# Altium PCB Proyecto_0 - V2.PcbDoc (part 2 of 6)
Units mil, origin at the board's own origin, x right, y up, seen from the top; angles counter-clockwise.
Board outline 2559.06 x 1771.65 mil, 10 copper layers (TOP, GND[1], VDD[1], Signal[1], GND[2], VDD[2], Signal[2], GND[3], VDD[3], BOT), stack 79.883 mil thick; 188 components, 257 nets, 1108 pads, 915 vias.
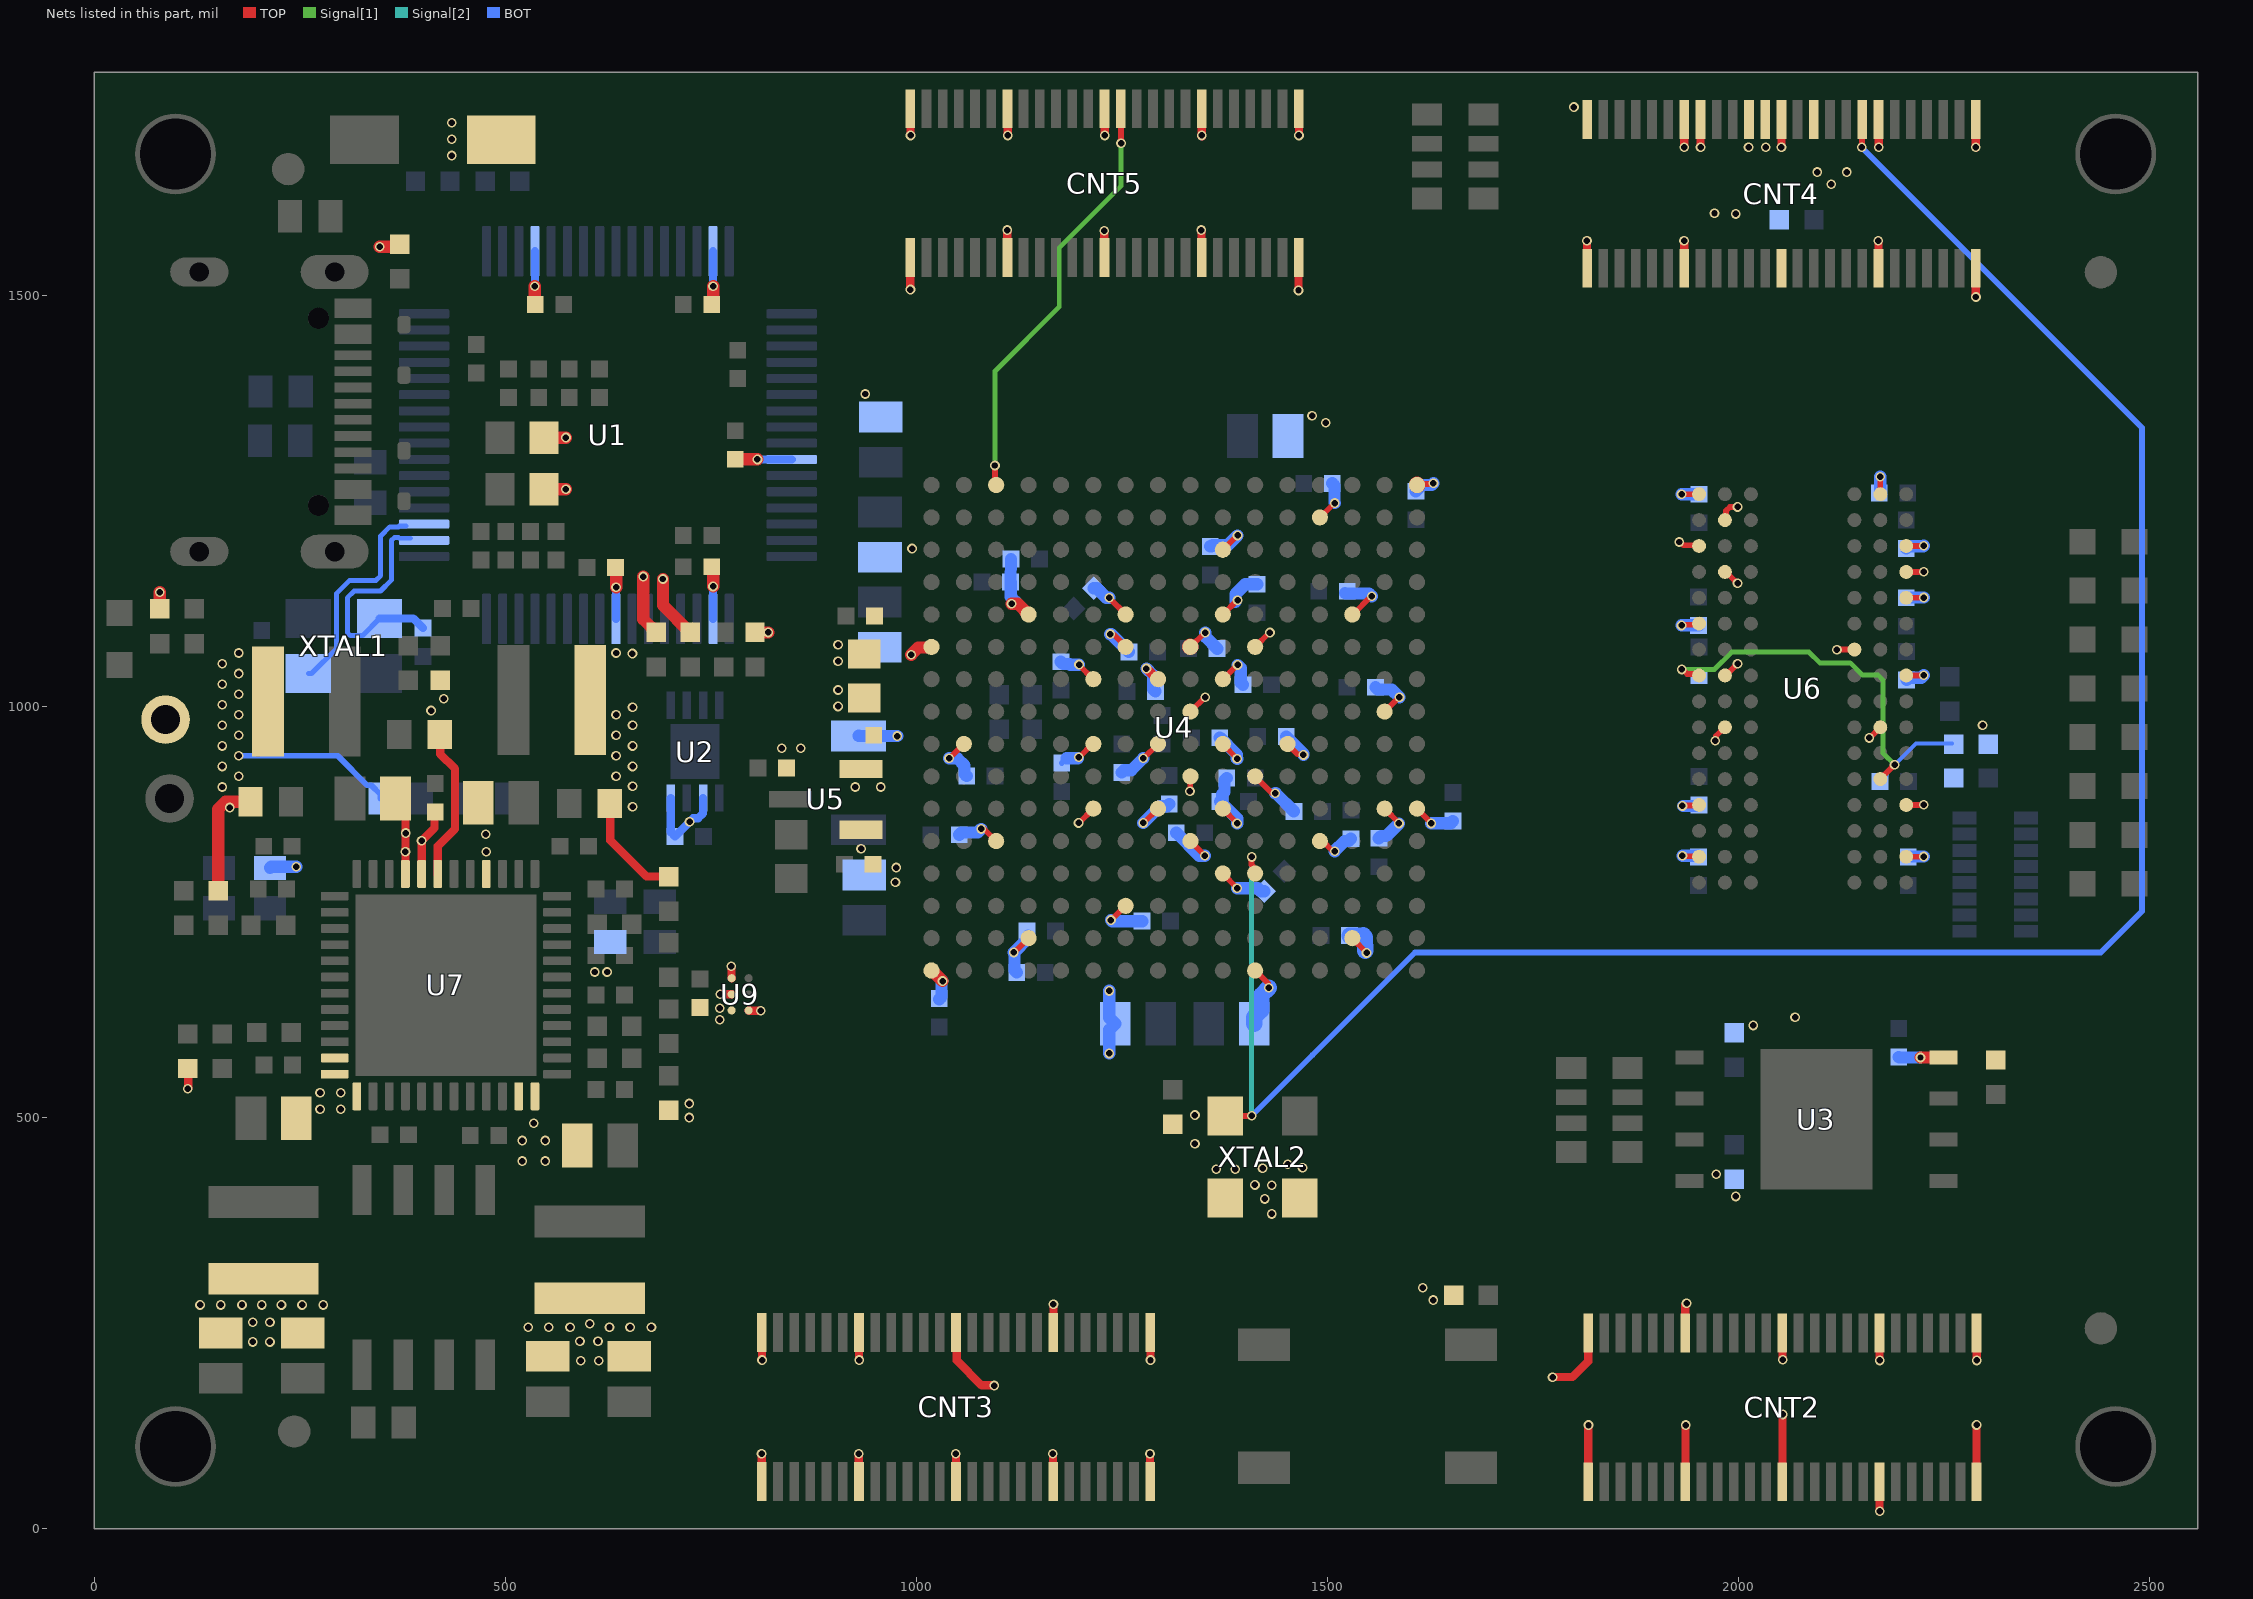
[diagram p10: the nets of this part, all layers, seen from the top]

## Components (designator, comment, footprint, x,y, rotation, side; value= is the part's Value field where it differs from the comment) (continued)
C51 "47uF" CAP0805 937,767.44 r90 bottom
C52 "0.1uF" CAP0402 930.32,808 r0 top
C53 "10uF" CAP0402 825,925 r0 top
C54 "0.1uF" CAP0402 1250,937 r270 bottom
C55 "1nF" CAP0402 1299,971.68 r90 bottom
C56 "0.47uF" CAP0402 1348.73,1070.34 r0 bottom
C57 "0.47uF" CAP0402 1276.05,1066.34 r180 bottom
C58 "0.47uF" CAP0402 1307.73,898.67 r270 bottom
C59 "4.7uF" CAP0402 1176,1037 r90 bottom
C60 "4.7uF" CAP0402 1177,914 r90 bottom
C61 "100uF" CAP1206 930,907.09 r90 bottom
C62 "0.47uF" CAP0402 1414.73,1131.34 r90 bottom
C63 "47uF" CAP0805 957,1324.56 r90 bottom
C64 "0.47uF" CAP0402 1387.05,884.34 r180 bottom
C65 "0.47uF" CAP0402 1395,913 r180 bottom
C66 "0.47uF" CAP0402 1414.73,1026.34 r180 bottom
C67 "4.7uF" CAP0402 1476.73,872.34 r180 bottom
C68 "4.7uF" CAP0402 1352,962 r0 bottom
C69 "47uF" CAP0805 956,1209 r270 bottom
C70 "0.47uF" CAP0402 1952.22,897.52 r270 bottom
C71 "0.47uF" CAP0402 2204.19,1209.33 r270 bottom
C72 "0.47uF" CAP0402 2206.7,799.67 r90 bottom
C73 "0.47uF" CAP0402 1952.22,1240.83 r90 bottom
C74 "0.47uF" CAP0402 2204.7,1049.67 r270 bottom
C75 "0.47uF" CAP0402 1951.7,799.67 r90 bottom
C76 "0.47uF" CAP0402 2188.7,1259.67 r180 bottom
C77 "0.47uF" CAP0402 1951.7,1115.67 r270 bottom
C78 "0.47uF" CAP0402 2204.19,1114.85 r90 bottom
C79 "1uF" CAP0402 2189.7,908.67 r180 bottom
C80 "10nF" CAP0402 1952.22,1055 r270 bottom
C81 "10uF" CAP0805 218.56,499 r0 top
C82 "10uF" CAP0805 615.44,466 r180 top
C83 "10uF" CAP0805 495,883 r180 top
C84 "10uF" CAP0805 339,888 r0 top
C85 "0.1uF" CAP0402 475,478 r0 top
C86 "47uF" CAP0805 651,182 r90 top
C87 "47uF" CAP0805 552,182 r90 top
C88 "2.7nF" CAP0402 628,534 r0 top value=2.2nF
C89 "0.1uF" CAP0402 365,479 r180 top
C90 "47uF" CAP0805 154,210.44 r90 top
C91 "47uF" CAP0805 254,210.44 r90 top
C92 "2.7nF" CAP0402 224,564 r180 top value=2.2nF
C93 "0.1uF" CAP0402 584,830 r0 top
C94 "22uF" CAP0603 602.61,882 r0 top
C95 "2.7nF" CAP0402 628,778 r0 top value=2.2nF
C96 "0.1uF" CAP0402 223.68,830 r180 top
C97 "22uF" CAP0603 215,884 r180 top
C98 "2.7nF" CAP0402 217,778 r180 top value=2.2nF
C99 "10uF" CAP0603 396,966 r0 top
C100 "1uF" CAP0402 628,649 r180 top
C101 "1uF" CAP0402 415,889 r270 top
C102 "1uF" CAP0402 628,697 r180 top
C103 "0.1uF" CAP0402 737,651 r90 top
C104 "0.1uF" CAP0402 780,1318 r270 top
C105 "0.1uF" CAP0402 734,1489 r0 top
CNT1 "USB-C" "USB-C 2.0 24 PINS (16+8 DUMMY)" 128.12,1358.37 r270 top
CNT2 "528850574" 528850574 2053.54,147.55 r0 top
CNT3 "528850574" 528850574 1048.48,148 r0 top
CNT4 "528850574" 528850574 2052.37,1623.45 r180 top locked
CNT5 "528850574" 528850574 1229.06,1636.45 r180 top locked
D1 "ESD321" SOD-523 377,1280.29 r270 top locked
D2 "ESD321" SOD-523 377,1433.71 r90 top locked
D3 "597-3305-607F" 0603_LED 31,1082 r270 top
D4 "597-3305-607F" 0603_LED 2450.15,784.32 r0 top
D5 "597-3305-607F" 0603_LED 2450.15,843.75 r0 top
D6 "597-3305-607F" 0603_LED 2450.15,903.18 r0 top
D7 "597-3305-607F" 0603_LED 2450.15,962.61 r0 top
D8 "597-3305-607F" 0603_LED 2450.15,1022.03 r0 top
D9 "597-3305-607F" 0603_LED 2450.15,1081.46 r0 top
D10 "597-3305-607F" 0603_LED 2450.15,1140.89 r0 top
D11 "597-3305-607F" 0603_LED 2450.15,1200.32 r0 top
L1 "HZ0603C651R-10" Fer0603 520.57,1264 r180 top
L2 "HZ0603C651R-10" Fer0603 520.57,1327 r180 top
L3 "HZ0603C651R-10" Fer0603 937,1037 r270 top
L4 "HZ0603C651R-10" Fer0603 848,817.43 r90 top
L5 "3.3uH" IND1616-2.1mm 603,327 r270 top
L6 "1.5uH" IND1616-2.1mm 206,350.65 r270 top
L7 "6.8uH" IND1616-3.1mm 557,1008 r0 top
L8 "3.3uH" IND1616-2.1mm 258.35,1006.26 r180 top
R1 "5.1 K" RES0603 226.39,1323 r180 bottom value="47 K"
R2 "5.1 K" RES0603 227,1383 r180 bottom value="47 K"
R3 "10k" RES0402 372,1541 r270 top
R4 "10k" RES0402 804,1069 r90 top
R5 "10k" RES0402 725,1069 r90 top
R6 "10k" RES0402 684,1069 r90 top
R7 "12 K" RES0603 336,1272.39 r90 bottom
R8 "4.7k" RES0402 412,1639 r180 bottom
R9 "2k" RES0402 766,1069 r90 top
R10 "10k" RES0402 497,1639 r180 bottom
R11 "4.7k" RES0402 1995,446 r270 bottom
R12 "4.7k" RES0402 2313,549 r90 top
R13 "4.7k" RES0402 1995,582 r90 bottom
R14 "200" RES0402 101,1119 r180 top
R15 "165" RES0402 101,1076 r180 top
R16 "100" ArrayResistor-1206 1832,510 r0 top value="100 Ohms"
R17 "4.7k" RES0402 1312,513 r270 top
R18 "4.7k" RES0402 2071,1591.86 r180 bottom
R19 "100" ArrayResistor-1206 1656.75,1669.82 r0 top value="100 Ohms"
R20 "78.7" RES0402 1141,993 r90 bottom value=78.8
R21 "78.7" RES0402 1101,993 r90 bottom value=78.8
R22 "1K" RES0402 2283,954 r0 bottom value=1k
R23 "1K" RES0402 2283,913 r180 bottom value=1k
R24 "6.65 K" RES0603 373,888 r180 bottom
R25 "1K" RES0603 628,738 r270 bottom
R26 "9.31 K" RES0603 214,779 r90 bottom value=9.31k
R27 "12.7 K" RES0603 478,888 r180 bottom
R28 "10 K" RES0603 688,738 r90 bottom
R29 "10 K" RES0603 152,779 r270 bottom
R30 "31.6k" RES0402 699,530 r270 top
R31 "10.2k" RES0402 699,611 r90 top
R32 "15k" RES0402 633,572 r180 top
R33 "2.49k" RES0402 114,580.62 r270 top
R34 "10k" RES0402 156,580.62 r270 top
R35 "47 K" RES0603 352,129 r180 top
R36 "10k" RES0402 219,603.39 r0 top
R37 "12.7k" RES0402 699,772 r90 top
R38 "10.2k" RES0402 699,691.57 r270 top
R39 "10k" RES0402 633,735 r180 top
R40 "6.65k" RES0402 151,755 r90 top
R41 "10k" RES0402 109,754.91 r90 top
R42 "10k" RES0402 212,734 r0 top
R43 "4.99k" RES0402 421,1052.62 r270 top
R44 "1.91k" RES0402 382,1052.62 r270 top
R45 "31.6k" RES0402 633,611 r180 top
R46 "330" ArrayResistor-1506 2312.4,795.47 r0 bottom locked value="330 Ohms"
R47 "10k" RES0402 1675,284 r180 top
R48 "240" RES0402 2257,1015 r90 bottom
S1 "SK34A" "Diode SMA-2" 412.27,1689 r180 top
S2 "PTS526 SK15 SMTR2 LFS" "Push Button" 1549,149 r0 top
S3 "PTSLR06038V050" PTSLR0603 263,1596 r0 top
U1 "FT2232HL" LQPF-64 625,1330 r0 bottom locked
U2 "93C56B" DFN-8 731,945 r270 bottom
U3 "W25N04KVZEIR" WSON-8 2095,498 r0 top
U4 "XC7A35TFTG256" BGA-256 1313.89,974.06 r0 top locked
U5 "REF3012" SOT23-3 890,887 r180 top
U6 "AS4C256M16D3LC" FBGA-96 2078.21,1021.93 r0 top
U7 "ADP5052" LFCSP-48 428,661 r270 top locked
U8 "FDS8949" SOIC8 401,305.7 r90 top locked
U9 "BD2204GUL" "UFBGA-6 (VCSP50L1)" 786,650 r90 top
XTAL1 "12 MHz" XTAL_ABM8G 303.97,1073.45 r0 bottom
XTAL2 "ASFLMB-100.000MHZ-LC-T" XTAL_ASFLMB 1421.28,452 r270 top locked

## Footprints (in the part's own frame and the unit in brackets; to place one, negate y for a bottom-side part, rotate by r counter-clockwise, add the part's x,y. Pads: shape width x height; smd on the part's side, far side on the other; paste and mask are expansions set on the pad)
0603_LED [mm] "Led 0805"
  rect 0.8x0.8 smd: A(-0.8,0) C(0.8,0)
  silkscreen extent -1.8,-0.4 0.08,0.4, body extent -0.8,-0.4 0.8,0.4, height 0.8
528850574 [mm] "Connector 50 pins"
  rect 0.3x1.2 smd: 1(-6,2.3) 2(-5.5,2.3) 3(-5,2.3) 4(-4.5,2.3) 5(-4,2.3) 6(-3.5,2.3) 7(-3,2.3) 8(-2.5,2.3) 9(-2,2.3) 10(-1.5,2.3) 11(-1,2.3) 12(-0.5,2.3) 13(0,2.3) 14(0.5,2.3) 15(1,2.3) 16(1.5,2.3) 17(2,2.3) 18(2.5,2.3) 19(3,2.3) 20(3.5,2.3) 21(4,2.3) 22(4.5,2.3) 23(5,2.3) 24(5.5,2.3) 25(6,2.3) 26(6,-2.3) 27(5.5,-2.3) 28(5,-2.3) 29(4.5,-2.3) 30(4,-2.3) 31(3.5,-2.3) 32(3,-2.3) 33(2.5,-2.3) 34(2,-2.3) 35(1.5,-2.3) 36(1,-2.3) 37(0.5,-2.3) 38(0,-2.3) 39(-0.5,-2.3) 40(-1,-2.3) 41(-1.5,-2.3) 42(-2,-2.3) 43(-2.5,-2.3) 44(-3,-2.3) 45(-3.5,-2.3) 46(-4,-2.3) 47(-4.5,-2.3) 48(-5,-2.3) 49(-5.5,-2.3) 50(-6,-2.3)
  silkscreen extent -7.7,-2.8 7.67,3.61, body extent -7.55,-2.65 7.55,2.65, height 2.1
ArrayResistor-1206 [mm]
  rect 0.93x0.68 smd: 1(-0.895,1.275) 4(-0.895,-1.325) 5(0.845,-1.325) 8(0.845,1.275)
  rect 0.93x0.48 smd: 2(-0.895,0.375) 3(-0.895,-0.425) 6(0.845,-0.425) 7(0.845,0.375)
  silkscreen extent -2.03,-1.88 0.85,1.83, body extent -0.83,-1.63 0.77,1.57, height 0.6
ArrayResistor-1506 [mm]
  rect 0.75x0.4 smd: 1(-0.95,1.75) 2(-0.95,1.25) 3(-0.95,0.75) 4(-0.95,0.25) 5(-0.95,-0.25) 6(-0.95,-0.75) 7(-0.95,-1.25) 8(-0.95,-1.75) 9(0.95,-1.75) 10(0.95,-1.25) 11(0.95,-0.75) 12(0.95,-0.25) 13(0.95,0.25) 14(0.95,0.75) 15(0.95,1.25) 16(0.95,1.75)
  silkscreen extent -1.42,-2.13 0.93,2.26, body extent -0.8,-1.9 0.8,1.9, height 0.55
BGA-256 [mm] "BGA-256"
  round 0.5 smd: A1(-7.5,7.5) A2(-6.5,7.5) A3(-5.5,7.5) A4(-4.5,7.5) A5(-3.5,7.5) A6(-2.5,7.5) A7(-1.5,7.5) A8(-0.5,7.5) A9(0.5,7.5) A10(1.5,7.5) A11(2.5,7.5) A12(3.5,7.5) A13(4.5,7.5) A14(5.5,7.5) A15(6.5,7.5) A16(7.5,7.5) B1(-7.5,6.5) B2(-6.5,6.5) B3(-5.5,6.5) B4(-4.5,6.5) B5(-3.5,6.5) B6(-2.5,6.5) B7(-1.5,6.5) B8(-0.5,6.5) B9(0.5,6.5) B10(1.5,6.5) B11(2.5,6.5) B12(3.5,6.5) B13(4.5,6.5) B14(5.5,6.5) B15(6.5,6.5) B16(7.5,6.5) C1(-7.5,5.5) C2(-6.5,5.5) C3(-5.5,5.5) C4(-4.5,5.5) C5(-3.5,5.5) C6(-2.5,5.5) C7(-1.5,5.5) C8(-0.5,5.5) C9(0.5,5.5) C10(1.5,5.5) C11(2.5,5.5) C12(3.5,5.5) C13(4.5,5.5) C14(5.5,5.5) C15(6.5,5.5) C16(7.5,5.5) D1(-7.5,4.5) D2(-6.5,4.5) D3(-5.5,4.5) D4(-4.5,4.5) D5(-3.5,4.5) D6(-2.5,4.5) D7(-1.5,4.5) D8(-0.5,4.5) D9(0.5,4.5) D10(1.5,4.5) D11(2.5,4.5) D12(3.5,4.5) D13(4.5,4.5) D14(5.5,4.5) D15(6.5,4.5) D16(7.5,4.5) E1(-7.5,3.5) E2(-6.5,3.5) E3(-5.5,3.5) E4(-4.5,3.5) E5(-3.5,3.5) E6(-2.5,3.5) E7(-1.5,3.5) E8(-0.5,3.5) E9(0.5,3.5) E10(1.5,3.5) E11(2.5,3.5) E12(3.5,3.5) E13(4.5,3.5) E14(5.5,3.5) E15(6.5,3.5) E16(7.5,3.5) F1(-7.5,2.5) F2(-6.5,2.5) F3(-5.5,2.5) F4(-4.5,2.5) F5(-3.5,2.5) F6(-2.5,2.5) F7(-1.5,2.5) F8(-0.5,2.5) F9(0.5,2.5) F10(1.5,2.5) F11(2.5,2.5) F12(3.5,2.5) F13(4.5,2.5) F14(5.5,2.5) F15(6.5,2.5) F16(7.5,2.5) G1(-7.5,1.5) G2(-6.5,1.5) G3(-5.5,1.5) G4(-4.5,1.5) G5(-3.5,1.5) G6(-2.5,1.5) G7(-1.5,1.5) G8(-0.5,1.5) G9(0.5,1.5) G10(1.5,1.5) G11(2.5,1.5) G12(3.5,1.5) G13(4.5,1.5) G14(5.5,1.5) G15(6.5,1.5) G16(7.5,1.5) H1(-7.5,0.5) H2(-6.5,0.5) H3(-5.5,0.5) H4(-4.5,0.5) H5(-3.5,0.5) H6(-2.5,0.5) H7(-1.5,0.5) H8(-0.5,0.5) H9(0.5,0.5) H10(1.5,0.5) H11(2.5,0.5) H12(3.5,0.5) H13(4.5,0.5) H14(5.5,0.5) H15(6.5,0.5) H16(7.5,0.5) J1(-7.5,-0.5) J2(-6.5,-0.5) J3(-5.5,-0.5) J4(-4.5,-0.5) J5(-3.5,-0.5) J6(-2.5,-0.5) J7(-1.5,-0.5) J8(-0.5,-0.5) J9(0.5,-0.5) J10(1.5,-0.5) J11(2.5,-0.5) J12(3.5,-0.5) J13(4.5,-0.5) J14(5.5,-0.5) J15(6.5,-0.5) J16(7.5,-0.5) K1(-7.5,-1.5) K2(-6.5,-1.5) K3(-5.5,-1.5) K4(-4.5,-1.5) K5(-3.5,-1.5) K6(-2.5,-1.5) K7(-1.5,-1.5) K8(-0.5,-1.5) K9(0.5,-1.5) K10(1.5,-1.5) K11(2.5,-1.5) K12(3.5,-1.5) K13(4.5,-1.5) K14(5.5,-1.5) K15(6.5,-1.5) K16(7.5,-1.5) L1(-7.5,-2.5) L2(-6.5,-2.5) L3(-5.5,-2.5) L4(-4.5,-2.5) L5(-3.5,-2.5) L6(-2.5,-2.5) L7(-1.5,-2.5) L8(-0.5,-2.5) L9(0.5,-2.5) L10(1.5,-2.5) L11(2.5,-2.5) L12(3.5,-2.5) L13(4.5,-2.5) L14(5.5,-2.5) L15(6.5,-2.5) L16(7.5,-2.5) M1(-7.5,-3.5) M2(-6.5,-3.5) M3(-5.5,-3.5) M4(-4.5,-3.5) M5(-3.5,-3.5) M6(-2.5,-3.5) M7(-1.5,-3.5) M8(-0.5,-3.5) M9(0.5,-3.5) M10(1.5,-3.5) M11(2.5,-3.5) M12(3.5,-3.5) M13(4.5,-3.5) M14(5.5,-3.5) M15(6.5,-3.5) M16(7.5,-3.5) N1(-7.5,-4.5) N2(-6.5,-4.5) N3(-5.5,-4.5) N4(-4.5,-4.5) N5(-3.5,-4.5) N6(-2.5,-4.5) N7(-1.5,-4.5) N8(-0.5,-4.5) N9(0.5,-4.5) N10(1.5,-4.5) N11(2.5,-4.5) N12(3.5,-4.5) N13(4.5,-4.5) N14(5.5,-4.5) N15(6.5,-4.5) N16(7.5,-4.5) P1(-7.5,-5.5) P2(-6.5,-5.5) P3(-5.5,-5.5) P4(-4.5,-5.5) P5(-3.5,-5.5) P6(-2.5,-5.5) P7(-1.5,-5.5) P8(-0.5,-5.5) P9(0.5,-5.5) P10(1.5,-5.5) P11(2.5,-5.5) P12(3.5,-5.5) P13(4.5,-5.5) P14(5.5,-5.5) P15(6.5,-5.5) P16(7.5,-5.5) R1(-7.5,-6.5) R2(-6.5,-6.5) R3(-5.5,-6.5) R4(-4.5,-6.5) R5(-3.5,-6.5) R6(-2.5,-6.5) R7(-1.5,-6.5) R8(-0.5,-6.5) R9(0.5,-6.5) R10(1.5,-6.5) R11(2.5,-6.5) R12(3.5,-6.5) R13(4.5,-6.5) R14(5.5,-6.5) R15(6.5,-6.5) R16(7.5,-6.5) T1(-7.5,-7.5) T2(-6.5,-7.5) T3(-5.5,-7.5) T4(-4.5,-7.5) T5(-3.5,-7.5) T6(-2.5,-7.5) T7(-1.5,-7.5) T8(-0.5,-7.5) T9(0.5,-7.5) T10(1.5,-7.5) T11(2.5,-7.5) T12(3.5,-7.5) T13(4.5,-7.5) T14(5.5,-7.5) T15(6.5,-7.5) T16(7.5,-7.5)
  silkscreen extent -9.1,-8.5 8.5,8.5, body extent -8.51,-8.49 8.49,8.51, height 1.4
CAP0402 [mm]
  rect 0.52x0.52 smd: 1(-0.44,0) 2(0.44,0)
  silkscreen extent -0.86,-0.43 0.86,0.43, body extent -0.5,-0.26 0.5,0.26, height 0.52
CAP0603 [mm]
  rect 0.75x0.9 smd: 1(-0.625,0) 2(0.625,0)
  silkscreen extent -1.17,-0.61 1.17,0.61, body extent -0.8,-0.41 0.8,0.41, height 0.82
CAP0805 [mm]
  rect 0.95x1.35 smd: 1(-0.7,0) 2(0.7,0)
  silkscreen extent -1.35,-0.84 1.35,0.84, body extent -1,-0.64 1,0.64, height 1.27
CAP1206 [mm]
  rect 0.95x1.7 smd: 1(-1.45,0) 2(1.45,0)
  silkscreen extent -2.08,-1.02 2.08,1.02, body extent -1.6,-0.8 1.6,0.8, height 0.8
DFN-8 [mm]
  rect 0.84x0.26 smd: 1(-1.435,0.75) 2(-1.435,0.25) 3(-1.435,-0.25) 4(-1.435,-0.75) 5(1.435,-0.75) 6(1.435,-0.25) 7(1.435,0.25) 8(1.435,0.75)
  rect 1.7x1.525 smd paste-0.312: 5(0,0)
  silkscreen extent -2.63,-1.2 1.5,1.2, body extent -1.52,-1 1.53,1, height 1
"Diode SMA-2" [mm]
  rect 2.12x1.5 smd: A(2.115,0) C(-2.115,0)
  silkscreen extent -4.1,-1.28 2.16,1.28, body extent -2.57,-1.28 2.57,1.28, height 2.5
FBGA-96 [mm]
  round 0.43 smd: A1(-3.2,6) A2(-2.4,6) A3(-1.6,6) A7(1.6,6) A8(2.4,6) A9(3.2,6) B1(-3.2,5.2) B2(-2.4,5.2) B3(-1.6,5.2) B7(1.6,5.2) B8(2.4,5.2) B9(3.2,5.2) C1(-3.2,4.4) C2(-2.4,4.4) C3(-1.6,4.4) C7(1.6,4.4) C8(2.4,4.4) C9(3.2,4.4) D1(-3.2,3.6) D2(-2.4,3.6) D3(-1.6,3.6) D7(1.6,3.6) D8(2.4,3.6) D9(3.2,3.6) E1(-3.2,2.8) E2(-2.4,2.8) E3(-1.6,2.8) E7(1.6,2.8) E8(2.4,2.8) E9(3.2,2.8) F1(-3.2,2) F2(-2.4,2) F3(-1.6,2) F7(1.6,2) F8(2.4,2) F9(3.2,2) G1(-3.2,1.2) G2(-2.4,1.2) G3(-1.6,1.2) G7(1.6,1.2) G8(2.4,1.2) G9(3.2,1.2) H1(-3.2,0.4) H2(-2.4,0.4) H3(-1.6,0.4) H7(1.6,0.4) H8(2.4,0.4) H9(3.2,0.4) J1(-3.2,-0.4) J2(-2.4,-0.4) J3(-1.6,-0.4) J7(1.6,-0.4) J8(2.4,-0.4) J9(3.2,-0.4) K1(-3.2,-1.2) K2(-2.4,-1.2) K3(-1.6,-1.2) K7(1.6,-1.2) K8(2.4,-1.2) K9(3.2,-1.2) L1(-3.2,-2) L2(-2.4,-2) L3(-1.6,-2) L7(1.6,-2) L8(2.4,-2) L9(3.2,-2) M1(-3.2,-2.8) M2(-2.4,-2.8) M3(-1.6,-2.8) M7(1.6,-2.8) M8(2.4,-2.8) M9(3.2,-2.8) N1(-3.2,-3.6) N2(-2.4,-3.6) N3(-1.6,-3.6) N7(1.6,-3.6) N8(2.4,-3.6) N9(3.2,-3.6) P1(-3.2,-4.4) P2(-2.4,-4.4) P3(-1.6,-4.4) P7(1.6,-4.4) P8(2.4,-4.4) P9(3.2,-4.4) R1(-3.2,-5.2) R2(-2.4,-5.2) R3(-1.6,-5.2) R7(1.6,-5.2) R8(2.4,-5.2) R9(3.2,-5.2) T1(-3.2,-6) T2(-2.4,-6) T3(-1.6,-6) T7(1.6,-6) T8(2.4,-6) T9(3.2,-6)
  silkscreen extent -4.93,-7 4.44,7, body extent -4.5,-7 4.5,7, height 1.08
Fer0603 [mm]
  rect 0.9x1 smd: 1(-0.675,0) 2(0.675,0)
  silkscreen extent -1.4,-0.7 1.4,0.7, body extent -0.8,-0.41 0.8,0.41, height 0.82
IND1616-2.1mm [mm]
  rect 0.98x3.4 smd: 1(-1.185,0) 2(1.185,0)
  silkscreen extent -2.6,-2.06 1.98,1.96, body extent -2.02,-2.04 1.97,1.94, height 2.08
IND1616-3.1mm [mm]
  rect 0.98x3.4 smd: 1(-1.185,0) 2(1.185,0)
  silkscreen extent -2.6,-2 2,2, body extent -2,-2 2,2, height 3.04
LFCSP-48 [mm]
  rrect25% 0.86x0.27 smd: 1(-3.435,2.75) 2(-3.435,2.25) 3(-3.435,1.75) 4(-3.435,1.25) 5(-3.435,0.75) 6(-3.435,0.25) 7(-3.435,-0.25) 8(-3.435,-0.75) 9(-3.435,-1.25) 10(-3.435,-1.75) 11(-3.435,-2.25) 12(-3.435,-2.75) 25(3.435,-2.75) 26(3.435,-2.25) 27(3.435,-1.75) 28(3.435,-1.25) 29(3.435,-0.75) 30(3.435,-0.25) 31(3.435,0.25) 32(3.435,0.75) 33(3.435,1.25) 34(3.435,1.75) 35(3.435,2.25) 36(3.435,2.75)
  rrect25% 0.27x0.86 smd: 13(-2.75,-3.435) 14(-2.25,-3.435) 15(-1.75,-3.435) 16(-1.25,-3.435) 17(-0.75,-3.435) 18(-0.25,-3.435) 19(0.25,-3.435) 20(0.75,-3.435) 21(1.25,-3.435) 22(1.75,-3.435) 23(2.25,-3.435) 24(2.75,-3.435) 37(2.75,3.435) 38(2.25,3.435) 39(1.75,3.435) 40(1.25,3.435) 41(0.75,3.435) 42(0.25,3.435) 43(-0.25,3.435) 44(-0.75,3.435) 45(-1.25,3.435) 46(-1.75,3.435) 47(-2.25,3.435) 48(-2.75,3.435)
  rect 5.6x5.6 smd paste-4: 49(0,0)
  silkscreen extent -4.39,-3.55 3.55,3.55, body extent -3.5,-3.5 3.5,3.5, height 0.8
LQPF-64 [mm]
  rrect25% 1.56x0.28 smd: 1(-5.68,3.75) 2(-5.68,3.25) 3(-5.68,2.75) 4(-5.68,2.25) 5(-5.68,1.75) 6(-5.68,1.25) 7(-5.68,0.75) 8(-5.68,0.25) 9(-5.68,-0.25) 10(-5.68,-0.75) 11(-5.68,-1.25) 12(-5.68,-1.75) 13(-5.68,-2.25) 14(-5.68,-2.75) 15(-5.68,-3.25) 16(-5.68,-3.75) 33(5.68,-3.75) 34(5.68,-3.25) 35(5.68,-2.75) 36(5.68,-2.25) 37(5.68,-1.75) 38(5.68,-1.25) 39(5.68,-0.75) 40(5.68,-0.25) 41(5.68,0.25) 42(5.68,0.75) 43(5.68,1.25) 44(5.68,1.75) 45(5.68,2.25) 46(5.68,2.75) 47(5.68,3.25) 48(5.68,3.75)
  rrect25% 0.28x1.56 smd: 17(-3.75,-5.68) 18(-3.25,-5.68) 19(-2.75,-5.68) 20(-2.25,-5.68) 21(-1.75,-5.68) 22(-1.25,-5.68) 23(-0.75,-5.68) 24(-0.25,-5.68) 25(0.25,-5.68) 26(0.75,-5.68) 27(1.25,-5.68) 28(1.75,-5.68) 29(2.25,-5.68) 30(2.75,-5.68) 31(3.25,-5.68) 32(3.75,-5.68) 49(3.75,5.68) 50(3.25,5.68) 51(2.75,5.68) 52(2.25,5.68) 53(1.75,5.68) 54(1.25,5.68) 55(0.75,5.68) 56(0.25,5.68) 57(-0.25,5.68) 58(-0.75,5.68) 59(-1.25,5.68) 60(-1.75,5.68) 61(-2.25,5.68) 62(-2.75,5.68) 63(-3.25,5.68) 64(-3.75,5.68)
  silkscreen extent -7.44,-5.05 5.05,5.05, body extent -6,-6 6,6, height 1.61
PTSLR0603 [mm]
  rect 0.75x1 smd: 1(-0.625,0) 2(0.625,0)
  silkscreen extent -1.17,-0.66 1.17,0.66, body extent -0.8,-0.39 0.8,0.41, height 0.45
"Push Button" [mm]
  rect 1.6x1 smd: 1(-3.2,1.9) 2(3.2,1.9) 3(-3.2,-1.9) 4(3.2,-1.9)
  silkscreen extent -2.55,-2.55 2.55,2.55, body extent -3.2,-2.55 3.2,2.55, height 1.6
RES0402 [mm]
  rect 0.6x0.6 smd: 1(-0.533,0) 2(0.533,0)
  silkscreen extent -0.99,-0.46 0.99,0.46, body extent -0.5,-0.25 0.5,0.25, height 0.35
RES0603 [mm]
  rect 0.75x1 smd: 1(-0.625,0) 2(0.625,0)
  silkscreen extent -1.17,-0.66 1.17,0.66, body extent -0.8,-0.39 0.8,0.41, height 0.45
SOD-523 [mm]
  rrect50% 0.54x0.4 smd: A(0.78,0) K(-0.78,0)
  silkscreen extent -1.8,-0.52 0.63,0.52, body extent -0.8,-0.4 0.8,0.4, height 0.65
SOIC8 [mm]
  rect 1.55x0.6 smd: 1(-2.7,1.905) 2(-2.7,0.635) 3(-2.7,-0.635) 4(-2.7,-1.905) 5(2.7,-1.905) 6(2.7,-0.635) 7(2.7,0.635) 8(2.7,1.905)
  silkscreen extent -2.82,-2.5 1.6,2.88, body extent -3,-2.5 3,2.5, height 1.75
SOT23-3 [mil]